# Altium PCB HYDRA_V4_RECOVERY.PcbDoc (part 2 of 2) (continued)
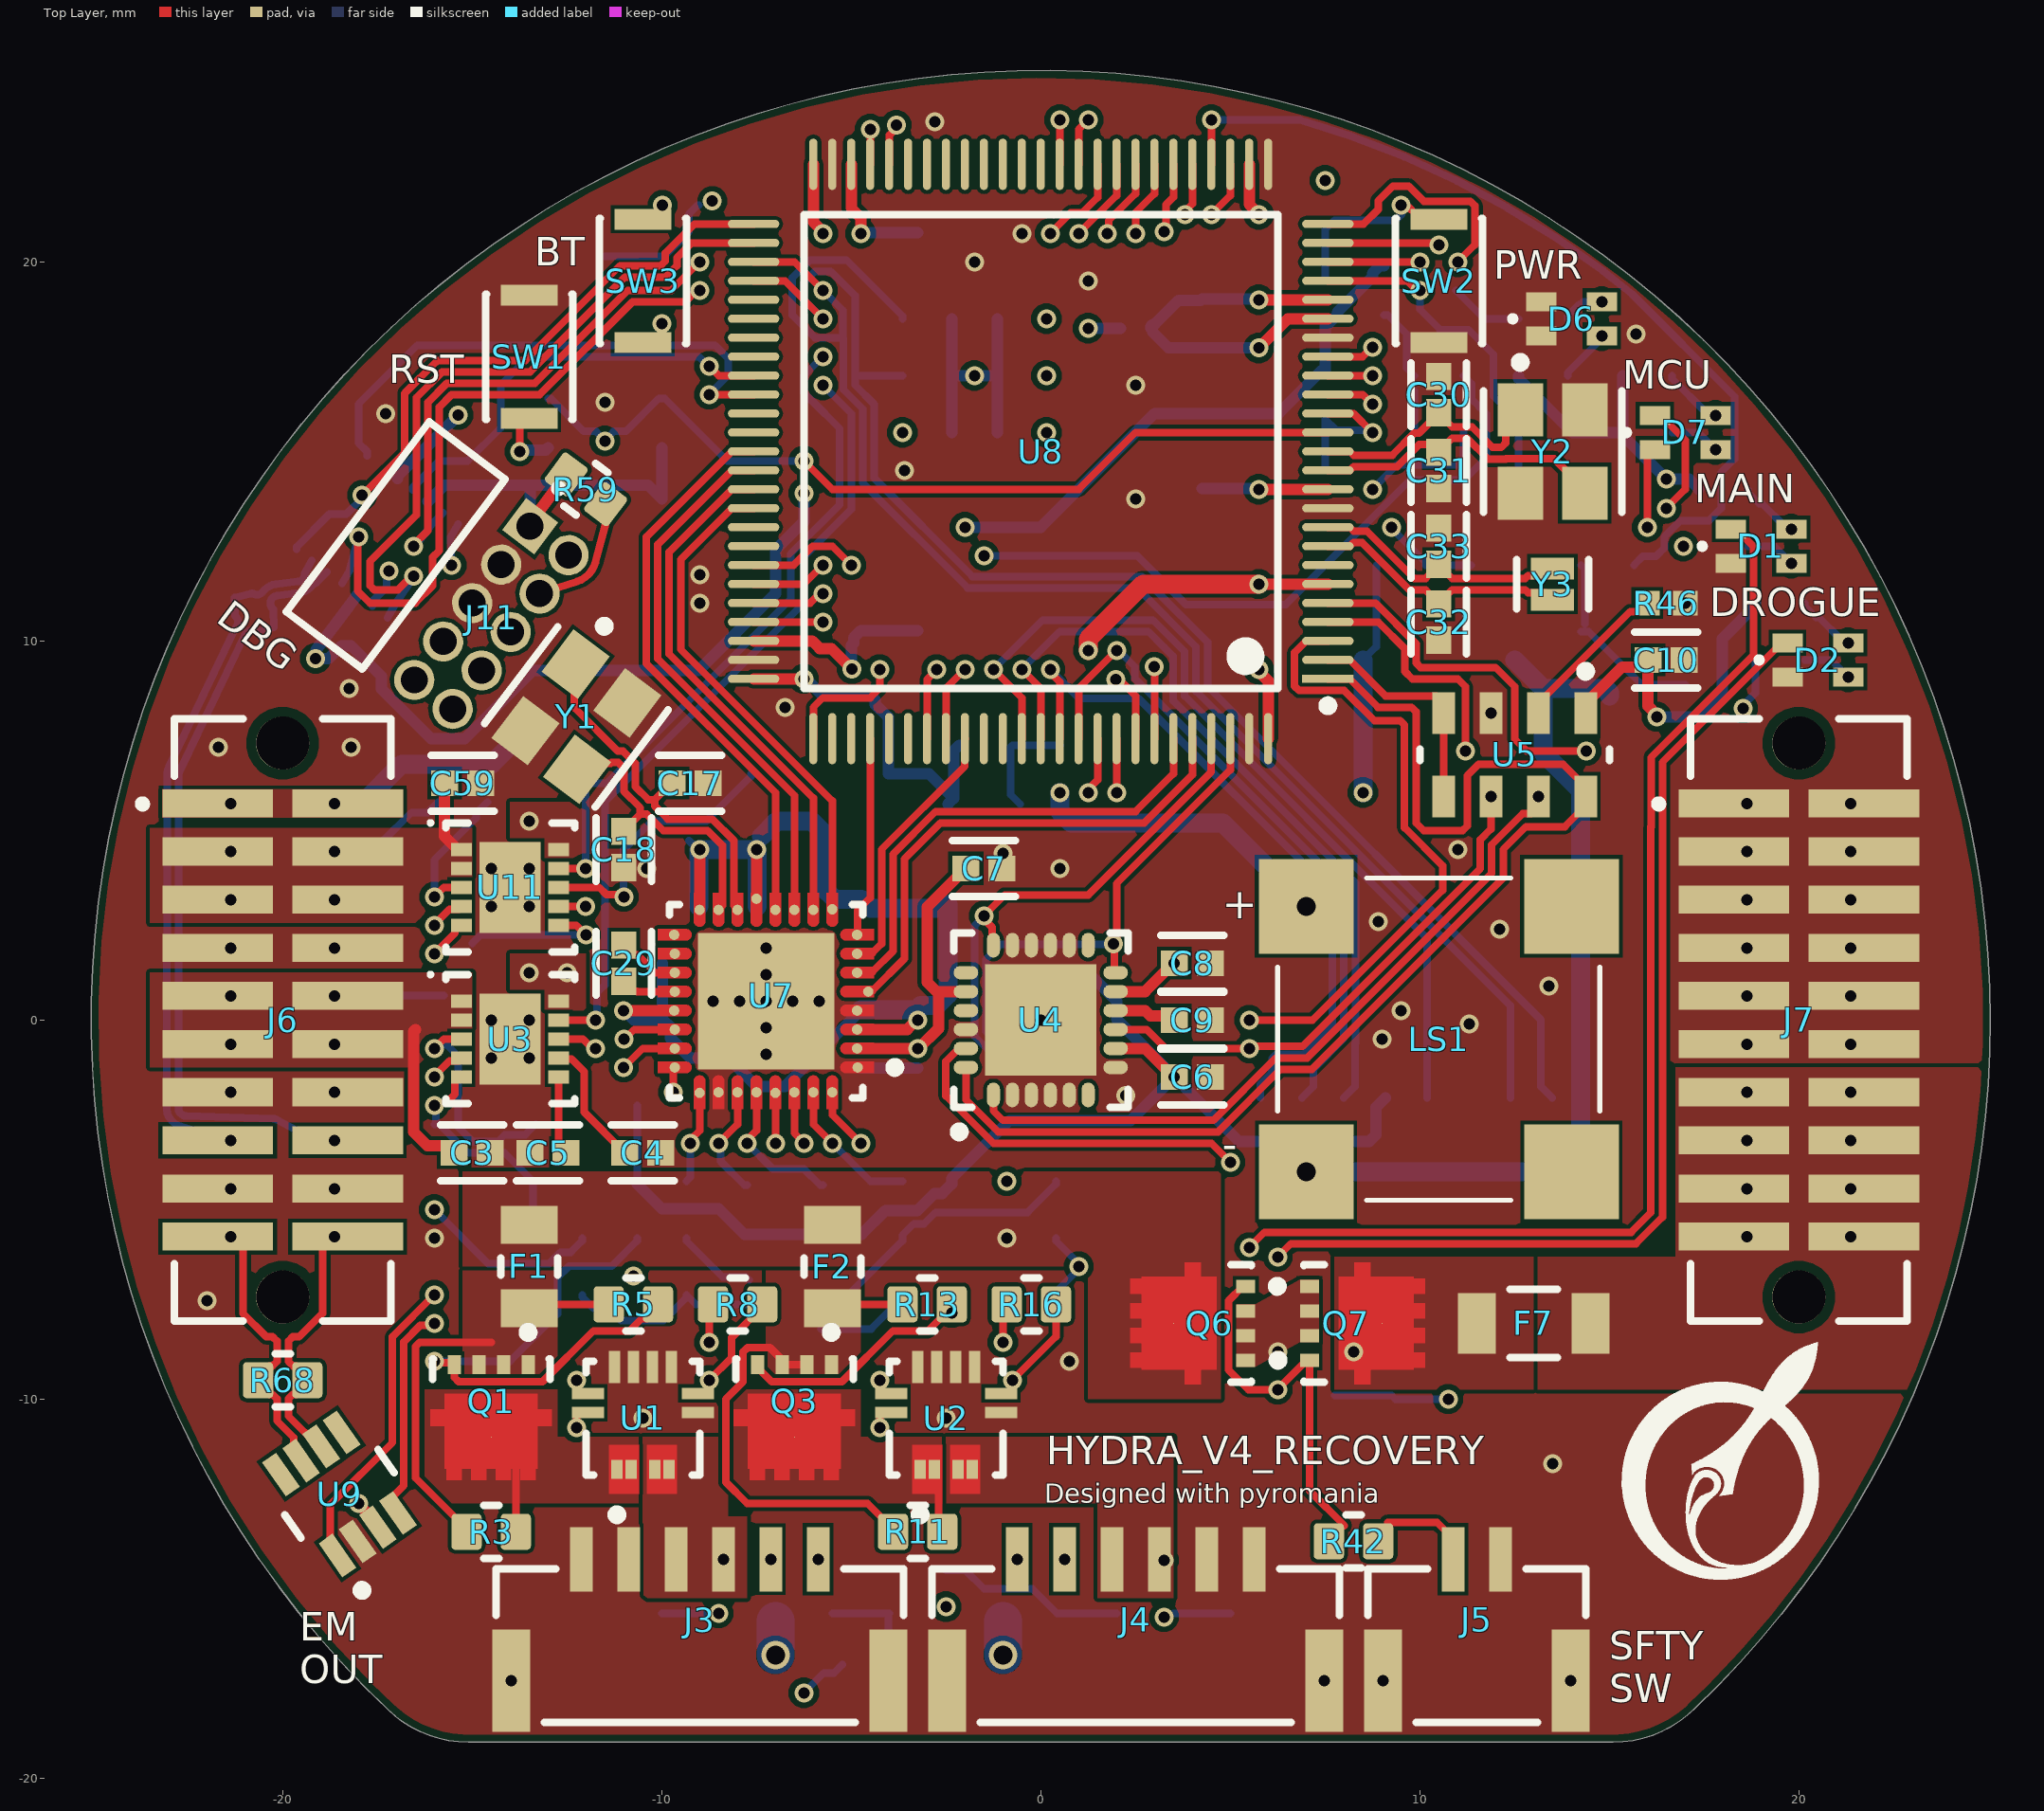
[diagram p0: Top Layer view]
## Nets (pads, with @x,y where several pads share a name; then routed paths per layer and width w, separated by ;. In a path a pad name is that pad's centre, name@x,y a point inside that pad or via, vN(x,y) a via of type N, cw(c..) or ccw(c..) an arc to the next point about the centre after c; other vN are vias at no path point) (continued)
  Bottom Layer w0.2: Q8.3@10.95,19.25 11.7,18.5 R63.2@12.6,18.5
NetR21_2: R21.2 U8.29 | length 23.5
  Top Layer w0.2: U8.29@4.5,22.575 v1(4.5,23.75)
  Bottom Layer w0.2: v1(4.5,23.75) 6.787,23.75 cw(c6.787,23.55) 6.847,23.741 8.175,23.32 cw(c8.115,23.129) 8.187,23.316 9.589,22.775 cw(c9.517,22.588) 9.601,22.77 10.968,22.144 cw(c10.884,21.962) 10.979,22.139 12.305,21.43 cw(c12.21,21.254) 12.315,21.424 13.595,20.635 cw(c13.49,20.465) 13.606,20.629 14.835,19.763 cw(c14.72,19.6) 14.845,19.756 15.592,19.158 cw(c15.467,19.002) 15.608,19.143 18.3,16.452 18.3,14.8 17.952,14.452 17.952,13.5 17.628,13.177 16.884,13.177 16.45,12.743 16.45,12.45 16.233,12.233 15.883,12.233 R21.2@15.65,12
NetR23_1: R23.1 R24.2 U8.15 | length 4
  Top Layer w0.2: U8.15@7.575,16 7.578,15.998 8.252,15.998 v1(8.75,15.5)
  Bottom Layer w0.2: R24.2@7.5,14.65 7.5,15.75 R23.1@7.5,15.85 7.793,15.557 8.693,15.557 v1(8.75,15.5)
NetR25_1: R25.1 R26.2 U8.23 | length 39.8
  Top Layer w0.2: U8.23@7.575,20 v1(10,20)
  GND w0.2: v1(10,20) 14.897,15.103 14.897,-6.903 11.8,-10 v1(10.75,-10)
  Bottom Layer w0.2: R25.1@7.75,-9.9 R26.2@9.25,-9.9 9.35,-10 v1(10.75,-10)
NetR27_1: R27.1 R28.2 U8.18 | length 8.8
  Top Layer w0.2: U8.18@7.575,17.5 8.494,17.5 8.744,17.75 v1(8.75,17.75)
  PWR w0.2: v1(8.75,17.75) 9.25,17.25 v1(9.25,13)
  Bottom Layer w0.2: v1(9.25,13) 9.25,12.975 10.15,12.075 R27.1@10.15,12 R28.2@11.35,12
NetR29_2: R29.2 R30.1 U3.3 | length 5.6
  Top Layer w0.2: v1(-15.998,-0.75) -15.994,-0.75 -15.744,-0.5 U3.3@-15.285,-0.5
  Bottom Layer w0.2: R29.2@-15.75,-0.65 -15.675,-0.65 -15.375,-0.95 -15.375,-2.818 -14.995,-3.198 -14.313,-3.198 -14.14,-3.025 -13.6,-3.025 R30.1@-13.325,-2.75
NetR31_1: R31.1 R34.2 U8.22 | length 9.4
  Top Layer w0.2: U8.22@7.575,19.5 9.669,19.5 9.919,19.25 v1(10,19.25)
  Bottom Layer w0.2: v1(10,19.25) 10,18.75 10.536,18.214 11.286,18.214 11.937,17.563 11.937,16.463 12.33,16.07 12.33,15.77 R31.1@12.6,15.5 ; R34.2@12.6,14 R31.1@12.6,15.575
NetR32_1: R32.1 U3.8 | length 1.1
  Top Layer w0.2: U3.8@-12.715,-0.5 -12.081,-0.5 -11.831,-0.75 v1(-11.75,-0.75)
NetR33_1: R33.1 U3.9 U8.34 | length 31.5
  Top Layer w0.2: U3.9@-12.715,0 v1(-11.75,0) ; v1(1,20.75) 2,21.75 U8.34@2,22.575
  GND w0.2: v1(-5.75,16.75) -3,16.75 v1(1,20.75)
  Bottom Layer w0.2: v1(-11.75,0) -11.712,0.038 -11.712,0.713 -11.5,0.925 -11.5,5.748 -11.498,5.75 -11.498,5.752 -6.25,11 -6.25,12.223 -5,13.473 -5,16 v1(-5.75,16.75)
NetR41_1: R41.1 R43.2 U8.33 | length 33.6
  Top Layer w0.2: v1(1.75,20.75) 1.789,20.789 1.789,21.089 2.5,21.8 U8.33@2.5,22.575
  GND w0.2: v1(1,-6.5) 3.898,-3.602 3.898,-3.202 4.103,-2.997 4.103,1.795 3.898,2 3.898,18.602 v1(1.75,20.75)
  Bottom Layer w0.2: R43.2@0.4,-7.25 0.4,-7.175 1,-6.575 v1(1,-6.5) 1,-6.425 0.4,-5.825 R41.1@0.4,-5.75
NetR46_2: R46.2 U5.2 | length 4.2
  Top Layer w0.2: U5.2@13.125,8.1 13.125,8.35 15.55,10.775 15.775,10.775 R46.2@16,11
NetR60_2: R60.2 SW1.1 | length 1.8
  Top Layer w0.2: v1(-13.75,15) -13.75,15.7 -13.575,15.875 SW1.1@-13.5,15.875
  Bottom Layer w0.3: v1(-13.75,15) -13.712,15.038 -13.062,15.038 R60.2@-13,15.1
NetR71_2: R71.2 U10.9 | length 32
  PWR w0.2: v1(-17.2,11.847) -17.2,15.05 -10.1,22.15 v1(7.5,22.15)
  Bottom Layer w0.2: U10.9@-17.63,10.916 -17.63,11.045 -17.257,11.417 -17.257,11.79 v1(-17.2,11.847)
NetR72_1: R72.1 SW3.1
  other v1: -10,18.375
NetR76_2: R76.2 R77.1 U11.3 | length 3.9
  Top Layer w0.2: v1(-16,3.25) -15.994,3.25 -15.744,3.5 U11.3@-15.285,3.5
  Bottom Layer w0.2: v1(-16,3.25) -16,4.225 -14.9,5.325 -14.9,5.45 R76.2@-14.6,5.75
NetR78_1: R78.1 U11.8 | length 7.3
  Top Layer w0.2: U11.8@-12.715,3.5 -11.652,3.5 -11.459,3.307 -11.057,3.307 v1(-11,3.25)
  Bottom Layer w0.2: v1(-11,3.25) v1(-11,3.25) -11.002,4.498 -10.25,5.25 -8.825,5.25 -7.65,6.425 R78.1@-7.65,6.5
NetR79_1: R79.1 U8.35 U11.9 | length 28.4
  Top Layer w0.2: U11.9@-12.715,4 v1(-12.002,4) ; v1(0.25,20.75) 0.25,20.752 0.798,21.3 1.1,21.3 1.5,21.7 U8.35@1.5,22.575
  GND w0.2: v1(-5.75,17.5) -5.35,17.1 -3.1,17.1 0.211,20.411 0.211,20.711 v1(0.25,20.75)
  Bottom Layer w0.2: v1(-12.002,4) -12.002,6.148 -12,6.15 R79.1@-12.1,6.25 -11.45,6.25 -6.6,11.1 -6.6,12.3 -5.302,13.598 -5.302,15.6 -6.048,16.346 -6.054,16.346 -6.25,16.543 -6.25,17 v1(-5.75,17.5)
NetU8_7: U8.7
NetU8_16: U8.16 U10.11 | length 41.9
  Top Layer w0.2: v1(-18,12.75) -18.017,12.733 -18.017,11.317 -17.7,11 -16.5,11 -16.043,11.457 -16.043,12.207 -15.871,12.379 -15.871,16.165 -15.542,16.495 -13.225,16.495 -10.772,18.948 -9.383,18.948 -9.081,19.25 v1(-9,19.25) ; U8.16@7.575,16.5 8.494,16.5 8.744,16.25 v1(8.75,16.25)
  GND w0.2: v1(-9,19.25) -8.5,19.75 -3.75,19.75 -1.75,21.75 5.957,21.75 6.25,21.457 6.25,20.147 7.948,18.449 7.948,17.375 8.2,17.123 8.2,16.8 v1(8.75,16.25)
  Bottom Layer w0.2: U10.11@-18.429,11.518 -18.236,11.86 v1(-18,12.75)
NetU8_17: U8.17 U10.6 | length 37.1
  Top Layer w0.2: v1(-16.543,12.5) -16.543,12.538 -16.173,12.908 -16.173,16.29 -15.667,16.797 -13.35,16.797 -10.897,19.25 -9.75,19.25 v1(-9,20) ; U8.17@7.575,17 v1(8.75,17)
  GND w0.2: v1(-9,20) -8.948,20.052 -3.948,20.052 -1.948,22.052 6.082,22.052 6.552,21.582 6.552,20.272 8.25,18.573 8.25,17.5 v1(8.75,17)
  Bottom Layer w0.2: v1(-16.543,12.5) -16.5,12.5 -16.047,13.101 U10.6@-15.773,13.38
NetU8_38: U8.38
NetU8_39: U8.39
NetU8_40: U8.40
NetU8_41: U8.41
NetU8_42: U8.42
NetU8_43: U8.43
NetU8_44: U8.44
NetU8_45: U8.45
NetU8_51: U8.51 U10.14 | length 16.7
  Top Layer w0.2: v1(-17.902,13.847) -16.776,14.973 -16.776,16.524 -16.773,16.527 -16.773,16.544 -15.95,17.367 -15.933,17.367 -15.9,17.4 -13.6,17.4 -11.1,19.9 -10.6,19.9 -10.598,19.902 -10.025,19.902 -9.902,20.025 -9.902,20.232 -9.134,21 U8.51@-7.575,21
  Bottom Layer w0.2: U10.14@-19.627,12.421 -19.627,12.487 -18.766,13.347 -18.321,13.347 -17.902,13.767 v1(-17.902,13.847)
NetU8_52: U8.52 U10.8 | length 18.8
  Top Layer w0.2: v1(-16.543,11.707) -16.601,11.707 -16.961,11.347 -17.583,11.347 -17.7,11.464 -17.7,12.094 -16.475,13.319 -16.475,16.415 -15.792,17.098 -13.475,17.098 -10.975,19.598 -10.475,19.598 -10.473,19.6 -9.9,19.6 -9.6,19.9 -9.6,20.107 -9.207,20.5 U8.52@-7.575,20.5
  Bottom Layer w0.2: U10.8@-17.23,10.615 -17.038,10.957 -16.533,11.701 -16.536,11.701 v1(-16.543,11.707)
NetU8_55: U8.55
NetU8_56: U8.56
NetU8_57: U8.57
NetU8_58: U8.58
NetU8_59: U8.59 U10.4 | length 11.4
  Top Layer w0.2: v1(-8.75,17.25) -8.744,17.25 -8.494,17 U8.59@-7.575,17
  Bottom Layer w0.2: U10.4@-16.571,13.982 -16.571,14.049 -15.87,14.75 -15.117,14.75 -14.25,15.617 -14.25,16.75 -13.5,17.5 -9.017,17.5 -8.767,17.25 v1(-8.75,17.25)
NetU8_60: U8.60 U10.1 | length 14.3
  Top Layer w0.2: v1(-8.75,16.5) U8.60@-7.575,16.5
  Bottom Layer w0.2: U10.1@-17.77,14.885 -17.77,14.993 -18,15.223 -18,16.25 -16.448,17.802 -8.594,17.802 -8.25,17.457 -8.25,17 v1(-8.75,16.5)
NetU8_61: U8.61
NetU8_62: U8.62
NetU8_67: U8.67
NetU8_68: U8.68
NetU8_70: U8.70 U9.4 | length 32.2
  Top Layer w0.2: U9.4@-16.956,-13.006 -17.087,-12.875 -17.087,-12.567 -16.802,-12.282 -16.802,-8.492 -16.367,-8.057 -16.056,-8.057 v1(-15.998,-8) ; U8.70@-7.575,11.5 -6.25,11.5 v1(-5.75,12)
  GND w0.2: v1(-15.998,-8) -15.995,-7.997 -15.624,-7.997 -13.552,-5.925 -13.552,-4.507 -9.903,-0.859 -9.903,0.15 -9.9,0.153 -9.9,7.85 v1(-5.75,12)
NetU8_71: U8.71 U9.1 | length 36.2
  Top Layer w0.2: U9.1@-18.553,-14.124 -18.739,-13.938 -18.739,-12.782 -17.103,-11.146 -17.103,-8.353 v1(-16,-7.25) ; U8.71@-7.575,11 -6.081,11 -5.831,11.25 v1(-5.75,11.25)
  GND w0.2: v1(-16,-7.25) -16,-7.268 -16.498,-7.767 -16.498,-8.302 -16.3,-8.5 -15.7,-8.5 -13.25,-6.05 -13.25,-4.65 -9.602,-1.002 -9.602,0.025 -9.598,0.028 -9.598,7.702 -6.089,11.211 -5.789,11.211 v1(-5.75,11.25)
NetU8_77: U8.77
NetU8_78: U8.78
NetU8_80: U8.80
NetU8_81: U8.81
NetU8_85: U8.85
NetU8_86: U8.86
NetU9_5: U9.5
NetU9_8: U9.8
nINTRQ: R53.2 U7.24 U8.69 | length 20.9
  Top Layer w0.2: v1(-9.7,-1.9) -9.7,-1.314 -9.656,-1.27 U7.24@-9.656,-1.25 ; U8.69@-7.575,12 -6.521,12 -6.021,12.5 -5.5,12.5 v1(-5,12)
  GND w0.2: v1(-9.7,-1.9) -9.297,-1.497 -9.297,3.496 -8.5,4.293 -8.5,4.707 -9.297,5.504 -9.297,7.577 -6.873,10 -5.543,10 -5.25,10.293 -5.25,11.733 -5,11.983 v1(-5,12)
nPWRDWN: R57.2 U7.31 U8.82 | length 19.4
  Top Layer w0.2: U7.31@-6,-1.906 -6,-2.75 v1(-5.5,-3.25) ; U8.82@-3,7.425 -3,8.983 -2.75,9.233 v1(-2.75,9.25)
  GND w0.2: v1(-5.5,-3.25) -5.5,-0.927 -3.1,1.473 -3.1,8.9 v1(-2.75,9.25)
  Bottom Layer w0.2: v1(-5.5,-3.25) -4.5,-4.25 R57.2@-3.65,-4.25
nRESET: R55.2 U7.25 U8.83 | length 23.5
  Top Layer w0.2: v1(-9.247,-3.25) -9.247,-3.169 -9,-2.922 U7.25@-9,-1.921 ; U8.83@-2.5,7.425 -2.5,8.75 v1(-2,9.25)
  GND w0.2: v1(-9.247,-3.25) -9.247,-3.253 -8.75,-3.75 -4.543,-3.75 -4.2,-3.407 -4.2,-0.1 -2.798,1.302 -2.798,8.452 v1(-2,9.25)
  Bottom Layer w0.2: R55.2@-9.35,-4.25 -9.247,-4.147 v1(-9.247,-3.25)
nSHDN: D4.1 R35.1 R36.2 U3.5 U11.5 | length 11.7
  Top Layer w0.2: v1(-16,-2.25) -15.943,-2.193 -15.693,-2.193 -15.46,-1.96 -15.46,-1.575 -15.385,-1.5 U3.5@-15.285,-1.5 ; v1(-16,1.75) -15.46,2.29 -15.46,2.425 -15.385,2.5 U11.5@-15.285,2.5
  GND w0.2: v1(-16,-2.25) -16.498,-1.752 -16.498,-0.498 -16,0 v1(-16,1.75)
  Bottom Layer w0.2: D4.1@-16,-2.75 -15.955,-2.705 -15.955,-2.295 v1(-16,-2.25) ; D4.1@-15.91,-2.75 -15.87,-2.75 -15.12,-3.5 -14.15,-3.5 R36.2@-13.4,-4.25 -13.4,-5.4 R35.1@-13.5,-5.5
nSHDN: C15.2 R51.1 U6.3 | length 2.9
  Bottom Layer w0.2: U6.3@-0.55,5.7 -0.8,5.95 -0.8,7.2 -0.75,7.25 C15.2@0.521,7.25
P0: U7.12 U8.63 | length 15
  Top Layer w0.2: U8.63@-7.575,15 -8.147,15 -10.405,12.742 -10.405,9.405 -7,6 U7.12@-7,2.905
P1: U7.11 U8.64 | length 14.5
  Top Layer w0.2: U8.64@-7.575,14.5 -7.58,14.496 -8.151,14.496 -10.103,12.544 -10.103,9.53 -6.5,5.927 U7.11@-6.5,2.905
P2: U7.10 U8.65 | length 13.9
  Top Layer w0.2: U8.65@-7.575,14 -7.58,13.996 -8.151,13.996 -9.802,12.345 -9.802,9.655 -6,5.853 U7.10@-6,2.905
P3: U7.9 U8.66 | length 13.4
  Top Layer w0.2: U8.66@-7.575,13.5 -7.58,13.496 -8.151,13.496 -9.5,12.147 -9.5,9.78 -5.5,5.78 U7.9@-5.5,2.921
P4: U7.8 U8.79 | length 5.3
  Top Layer w0.2: U7.8@-4.845,2.25 -4.837,2.257 -4.837,2.89 -4.5,3.227 U8.79@-4.5,7.425
P5: U7.7 U8.84 | length 7.1
  Top Layer w0.2: U7.7@-4.845,1.75 -4.83,1.764 -4.449,1.764 -4.198,2.014 -4.198,4.502 -2.002,6.698 -2.002,7.422 U8.84@-2,7.425
P6: U7.6 U8.95 | length 12.9
  Top Layer w0.2: U7.6@-4.845,1.25 -4.83,1.264 -4.449,1.264 -3.897,1.816 -3.897,4.377 -2.773,5.5 2.5,5.5 3.5,6.5 U8.95@3.5,7.425
P7: U7.5 U8.96 | length 13.4
  Top Layer w0.2: U7.5@-4.552,0.75 -4.538,0.764 -4.449,0.764 -3.595,1.618 -3.595,4.252 -2.649,5.198 2.725,5.198 4,6.473 U8.96@4,7.425
PRE_3V3: C3.1 J1.09 J1.10 J1.11 J1.12 J6.09 J6.10 J6.11 J6.12 R29.1 U3.1 U3.2 | length 6.3
  Top Layer w0.3: -16.5,-0.25 -16.55,-0.3 -16.55,-2.95 -16.186,-3.314 -15.665,-3.314 C3.1@-15.479,-3.5
  Bottom Layer w0.2: J1.10@-18,0.5 -17.85,0.65 R29.1@-15.75,0.65
  other v1: -21.365,-0.64 -18.635,-0.64 -21.365,0.63 -18.635,0.63
PRE_5V: C59.1 J1.03 J1.04 J1.05 J1.06 J6.03 J6.04 J6.05 J6.06 R76.1 U11.1 U11.2 | length 5.3
  Top Layer w0.3: C59.1@-15.729,6.25 -15.729,4.844 -15.385,4.5 U11.1@-15.285,4.5
  Bottom Layer w0.2: J1.04@-18.635,4.445 -18.385,4.695 -17.38,4.695 -16.6,5.475 -16.175,5.475 R76.1@-15.9,5.75
  other v1: -21.365,3.17 -18.635,3.17 -21.365,4.44 -18.635,4.44
PRE_DROGUE_MATCH: Q3.5-6-7-8 R11.2 U2.1 U2.2 | length 1.9
  Top Layer w0.2: U2.1@-3.182,-11.848 -2.7,-12.33 -2.7,-13.4 R11.2@-2.6,-13.5
PRE_MAIN_MATCH: Q1.5-6-7-8 R3.2 U1.1 U1.2 | length 2.8
  Top Layer w0.2: Q1.5-6-7-8@-14.5,-11 -13.85,-11.65 R3.2@-13.85,-13.5
PRE_PYRO_PWR: F7.1 J2.13 J2.14 J2.15 J2.16 J2.17 J2.18 J2.19 J2.20 J7.13 J7.14 J7.15 J7.16 J7.17 J7.18 J7.19 J7.20
  other v1: 18.635,-5.72 21.365,-5.72 18.635,-4.45 21.365,-4.45 18.635,-3.18 21.365,-3.18 18.635,-1.91 21.365,-1.91
PRE_VCC: F6.1 J1.01 J1.02 J6.01 J6.02 | length 6.2
  Bottom Layer w0.5: J1.02@-18.635,5.715 -17.895,5.715 -16.86,6.75 -14.485,6.75 -13.454,7.781 F6.1@-13.292,7.781
  other v1: -21.365,5.71 -18.635,5.71
PRE_ZENER_CAN_INH: R35.2 R64.2 U10.7 | length 58.6
  PWR w0.2: v1(-16,-5) -16,-4.933 -15.8,-4.733 -15.8,-3.2 -16.5,-2.5 -16.5,-0.2 -17.75,1.05 -17.75,4.75 -17.3,5.2 -17.3,10.243 v1(-15.543,12) -15.543,12.457 -13.75,14.25 -13,14.25 -12.147,13.397 -3.397,13.397 -2.25,12.25 v1@-1.517,12.25
  Bottom Layer w0.2: v1(-16,-5) -14.573,-6.427 -12.975,-6.427 -12.673,-6.125 -12.4,-6.125 -12.1,-5.825 R35.2@-12.1,-5.75 ; v1(-15.543,12) -15.565,12.737 U10.7@-15.373,13.079 ; v1(-1.5,12.25) 2.542,12.25 3.83,10.962 6.462,10.962 9.75,14.25 11.177,14.25 11.752,14.825 11.752,16 11.575,16.177 11.573,16.177 11.37,16.38 11.37,16.78 R64.2@11.15,17
PWR_nFLT: R80.2 U3.4 U11.4 | length 63.7
  Top Layer w0.2: v1(-16,2.5) -16,2.52 -15.595,2.925 -15.36,2.925 U11.4@-15.285,3 ; v1(-15.998,-1.5) -15.998,-1.478 -15.595,-1.075 -15.36,-1.075 U3.4@-15.285,-1
  GND w0.2: v1(-15.998,-1.5) -15.498,-1 -15.498,-0.543 -15.5,-0.541 -15.5,2 v1(-16,2.5) -15.311,3.189 -15.311,4.089 -14.9,4.5 -11.367,4.5 -10.803,5.064 -10.803,7.447 -7.7,10.55 -7.7,13.89 -11.103,17.293 -11.103,19.5 -9.5,21.103 -7.25,21.103 -4.998,23.355 -4.998,23.709 -4.707,24 -4.2,24 -4,24.2 -2.5,24.2 -0.653,22.353 6.207,22.353 6.405,22.155 6.853,21.707 6.853,20.397 9.25,18 9.25,14.419 8.831,14 v1(8.75,14)
  Bottom Layer w0.2: v1(8.75,14) 9.4,14.65 11.033,14.65 11.15,14.767 R80.2@11.15,15.5
PYRO_PWR_SW: F1.1 F2.1 Q6.5-6-7-8 R41.2
  other v1: -0.9,-5.75
RESETN: C34.1 J11.10 R60.1 R61.2 U8.14 | length 32.3
  Top Layer w0.2: v1(-6.25,14.75) -5.5,14 1,14 2.5,15.5 U8.14@7.575,15.5
  GND w0.2: J11.10@-15.514,8.207 -14.73,8.207 -11.5,11.437 v1(-11.5,15.271)
  Bottom Layer w0.2: R60.1@-13,16.4 -12.925,16.4 -12.054,15.529 -11.736,15.529 C34.1@-11.5,15.293 ; v1(-11.5,15.271) C34.1@-11.5,15.293 ; v1(-6.25,14.75) -8.275,14.75 -9.925,16.4 R61.2@-10,16.4 -10.075,16.4 -10.946,15.529 -11.264,15.529 C34.1@-11.5,15.293
SD_CLK: R38.2 SD1.5 U8.87 | length 32.6
  Top Layer w0.2: v1(-1.25,9.25) -0.5,8.5 U8.87@-0.5,7.425
  GND w0.2: v1(-3.65,15.5) -3.636,15.486 -0.586,15.486 0.095,14.805 0.095,10.595 v1(-1.25,9.25)
  Bottom Layer w0.2: v1(-1.25,9.25) 0.052,10.552 2.961,10.552 3.797,9.716 3.797,8.55 10.195,2.152 SD1.5@10.195,-2.05
SD_CMD: R37.2 SD1.3 U8.88 | length 27.2
  Top Layer w0.2: v1(-0.5,9.25) 0,8.75 U8.88@0,7.425
  GND w0.2: v1(-0.5,9.25) 0.397,10.147 0.397,15.233 0.15,15.48 v1(0.15,15.5)
  Bottom Layer w0.2: v1(-0.5,9.25) 0.5,10.25 2.836,10.25 3.27,9.817 3.495,9.591 3.495,8.425 8.3,3.62 8.3,-0.609 8.295,-0.614 8.295,-1.75 SD1.3@7.995,-2.05
SD_DAT0: R39.2 SD1.7 U8.53 | length 39.9
  Top Layer w0.2: U8.53@-7.575,20 -6.5,20 v1(-5.75,19.25)
  Bottom Layer w0.2: v1(-5.75,19.25) -5.225,18.725 -5.225,18 ; R39.2@-3.65,18.5 -3.65,18.575 -5.127,20.052 -6.082,20.052 -6.552,19.582 -6.552,18.594 -5.957,18 -5.225,18 ; SD1.7@12.395,-2.05 12.395,0.378 4.098,8.675 4.098,9.841 2.539,11.4 -1.927,11.4 -4.698,14.172 -4.698,16.125 -5.202,16.628 -5.202,17.977 -5.225,18
SD_DAT1: R65.2 SD1.8 U8.54 | length 37.8
  Top Layer w0.2: U8.54@-7.575,19.5 -6.75,19.5 v1(-5.75,18.5)
  Bottom Layer w0.2: v1(-5.75,18.5) -6.25,19 -6.25,19.457 -5.957,19.75 -5.543,19.75 -4.9,19.107 -4.9,16.954 ; R65.2@-3.65,17 -4.854,17 -4.9,16.954 ; SD1.8@13.495,-2.05 13.195,-1.75 13.195,0.005 4.4,8.8 4.4,9.97 3.71,10.661 3.705,10.661 2.664,11.702 -1.802,11.702 -4.397,14.297 -4.397,16.25 -4.9,16.753 -4.9,16.954
SD_DAT2: J11.06 R74.2 SD1.1 U8.89 | length 42.4
  Top Layer w0.2: v1(0.25,9.25) 0.25,9.169 0.5,8.919 U8.89@0.5,7.425
  PWR w0.2: J11.06@-13.986,10.236 -11.336,10.236 -10.997,9.897 -6.323,9.897 -4.677,8.25 -0.25,8.25 0.2,8.7 0.2,9.2 v1(0.25,9.25)
  GND w0.2: v1(0.15,17) 0.698,16.452 0.698,9.698 v1(0.25,9.25)
  Bottom Layer w0.2: v1(0.25,9.25) 1.015,8.485 2.583,8.485 7.697,3.371 7.697,-0.148 6.945,-0.9 6.217,-0.9 6.1,-1.017 6.1,-1.283 6.095,-1.288 6.095,-1.4 5.795,-1.7 SD1.1@5.795,-2.05
SD_DAT3: R75.2 SD1.2 U8.90 | length 27
  Top Layer w0.2: U8.90@1,7.425 1,8.75 v1(2,9.75)
  GND w0.2: v1(0.15,18.5) 0.15,17.707 1,16.857 1,10.75 v1(2,9.75)
  Bottom Layer w0.2: v1(2,9.75) 2.05,9.75 2.485,9.315 2.485,9.009 7.998,3.496 7.998,-0.484 7.195,-1.288 7.195,-1.75 SD1.2@6.895,-2.05
SWCLK: J11.04 R59.1 U8.76 | length 16.4
  Top Layer w0.2: J11.04@-13.221,11.25 -12.233,11.568 ccw(c-12.457,12.264) -11.751,12.074 -11.467,13.129 R59.1@-11.481,13.609 ; U8.76@-6,7.425 -6,8.25 -5.75,8.5 -4.5,8.5 -4.25,8.75 v1(-4.25,9.25)
  PWR w0.2: J11.04@-13.221,11.25 -11.923,11.25 -10.872,10.198 -6.198,10.198 -5.764,9.764 -4.764,9.764 v1(-4.25,9.25)
SWDIO: J11.02 U8.72 | length 9.3
  Top Layer w0.2: U8.72@-7.575,10.5 v1(-5.75,10.5)
  PWR w0.2: J11.02@-12.457,12.264 -10.693,10.5 v1(-5.75,10.5)
TCAN1146_VSUP: C53.1 F6.2 Q8.2 R23.2 R69.2 U10.10 | length 39.3
  PWR w0.3: v1(-6.25,13.897) -2.897,13.897 v1(-2,13)
  Bottom Layer w0.3: U10.10@-18.029,11.217 -18.231,10.945 -19.122,9.763 v1(-19.132,9.538) -19.123,9.529 -18.794,9.529 -18.448,9.876 -18.199,9.876 -17.391,9.068 -17.391,8.729 -16.088,7.426 -15.191,7.426 -13.397,9.219 F6.2@-12.208,9.219 -9.031,9.219 -7,11.25 -7,12.4 -6.25,13.15 v1(-6.25,13.897) ; v1(-2,13) 0,13 3,16 6.275,16 7.425,17.15 R23.2@7.5,17.15 R69.2@7.5,18.275 ; R69.2@7.5,18.35 7.575,18.35 7.825,18.6 7.825,18.675 8.75,19.6 8.75,19.7 8.95,19.9 Q8.2@9.05,19.9
VDDA: C41.2 C42.2 C49.2 C50.2 FB1.2 U8.20 U8.21 | length 10.2
  Top Layer w0.3: v1(5.75,17.729) 6.521,18.5 U8.20@7.575,18.5 ; v1(5.75,19) U8.21@7.575,19
  Bottom Layer w0.3: FB1.2@2.9,18.25 2.9,18.3 2.95,18.35 3,18.35 3.639,18.99 4.218,18.99 C41.2@4.25,19.021 5.729,19.021 v1(5.75,19) ; FB1.2@2.95,18.15 3.371,17.729 v1(5.75,17.729)
VIN3: C14.1 U7.22 | length 28.3
  Top Layer w0.2: v1(-11,-0.5) -10.974,-0.5 -10.724,-0.25 U7.22@-9.656,-0.25
  PWR w0.2: v1(-11,-0.5) -10.502,-0.998 -10.502,-1.457 -12,-2.956 -12,-6.602 -13.3,-7.902 -13.3,-12.273 -8.125,-17.448 -6.748,-17.448 -6.5,-17.2 -4.221,-17.2 v1(-2.5,-15.479)
VIN4: C11.1 U7.23 | length 24.8
  Top Layer w0.2: v1(-11.002,-1.25) v1(-11.002,-1.25) -10.5,-0.75 U7.23@-9.656,-0.75
  PWR w0.2: v1(-11.002,-1.25) -12.302,-2.55 -12.302,-6.466 -13.602,-7.766 -13.602,-12.398 -8.25,-17.75 v1@-6.137,-17.75
  Bottom Layer w0.2: v1(-6.25,-17.75) -5.723,-17.223 -5.452,-17.223 C11.1@-5.229,-17
VREF_N: C29.2 U7.20 | length 1.5
  Top Layer w0.2: C29.2@-11,1.021 -11,1 -10.764,0.764 -10.66,0.764 -10.647,0.75 U7.20@-9.656,0.75
VREF_P: C29.1 U7.19 | length 1.7
  Top Layer w0.2: C29.1@-11,1.979 -11,1.957 -10.764,1.721 -10.647,1.721 -10.176,1.25 U7.19@-9.656,1.25
VS: U7.29 U8.93 | length 22.7
  Top Layer w0.2: v1(-7,-3.25) U7.29@-7,-1.921 ; v1(1.985,8.985) 2.066,8.985 2.5,8.551 U8.93@2.5,7.425
  PWR w0.2: v1(-7,-3.25) -6.997,-3.25 -6.497,-2.75 -1.097,-2.75 2.418,0.765 2.418,1.957 2.5,2.039 2.5,8.469 v1(1.985,8.985)
X32_N: C33.1 U8.9 Y3.2 | length 6.9
  Top Layer w0.2: U8.9@7.575,13 8.15,13 8.249,12.901 8.599,12.901 9.849,11.651 10.151,11.651 C33.1@10.5,12 ; C33.1@10.5,12.021 C33.1@10.5,12 ; Y3.2@13.5,11.913 13.313,11.725 12.856,11.725 12.782,11.651 10.849,11.651 C33.1@10.5,12
X32_P: C32.1 U8.8 Y3.1 | length 6.9
  Top Layer w0.2: U8.8@7.575,12.5 8.15,12.5 8.249,12.599 8.474,12.599 9.724,11.349 10.151,11.349 C32.1@10.5,11 ; C32.1@10.5,10.979 C32.1@10.5,11 ; Y3.1@13.5,11.087 13.313,11.275 12.856,11.275 12.782,11.349 10.849,11.349 C32.1@10.5,11
X_N: C30.1 U8.13 Y2.1 | length 6.7
  Top Layer w0.2: U8.13@7.575,15 8.15,15 8.249,14.901 9.276,14.901 9.856,15.481 9.981,15.481 C30.1@10.5,16 ; C30.1@10.5,16.021 C30.1@10.5,16 ; Y2.1@12.65,16.1 12.264,15.714 12.264,15.22 12.147,15.103 11.923,15.103 11.375,15.651 10.849,15.651 C30.1@10.5,16
X_P: C31.1 U8.12 Y2.3 | length 8
  Top Layer w0.2: U8.12@7.575,14.5 8.15,14.5 8.249,14.599 9.401,14.599 9.981,15.179 10.321,15.179 C31.1@10.5,15 ; C31.1@10.5,14.979 C31.1@10.5,15 ; Y2.3@14.35,13.9 14.35,14 13.543,14.807 12.277,14.807 12.272,14.802 11.798,14.802 11.25,15.349 10.849,15.349 C31.1@10.5,15
XTAL_N: C18.2 U7.15 Y1.3 | length 7.7
  Top Layer w0.2: Y1.3@-12.233,6.61 -12.077,6.766 -11.347,6.766 -11.316,6.798 -11.15,6.798 -11,6.648 -11,6.037 -10.564,5.601 -10.564,5.436 ; C18.2@-11,4.979 -11,5 -10.564,5.436 ; U7.15@-8.5,2.905 -8.5,2.925 -8.399,3.026 -8.399,4.606 -8.793,5 -9.963,5 -10.399,5.436 -10.564,5.436
XTAL_P: C17.2 U7.14 Y1.1 | length 9.8
  Top Layer w0.2: Y1.1@-12.267,9.39 -12.302,9.354 -12.302,8.239 -11.162,7.099 -11.025,7.099 -10.698,6.773 -10.698,6.162 -10.351,5.814 -10.186,5.814 ; C17.2@-9.729,6.25 -9.75,6.25 -10.186,5.814 ; U7.14@-8,2.905 -8,2.925 -8.097,3.023 -8.097,4.731 -8.668,5.302 -9.838,5.302 -10.186,5.649 -10.186,5.814
pads on no net: J1. J2. J6. J7. J11.07 J11.08 J11.09 LS1.1 LS1.2 U4.6 U4.13 U4.19 U4.21 U6.4 U7.17 U7.18

## Polygon pours and split planes (outlines as drawn)
GND on Top Layer "GND_L01_P110" (solid, remove dead copper, pour order 110): -17.222,-18.191 ccw(c-15.1,-16) -15.1,-19.05 15.1,-19.05 ccw(c15.1,-16) 17.25,-18.164 17.257,-18.158 ccw(c0,0) 25.05,0 ccw(c0,0)
3V3_OUT on Top Layer "3V3_OUT_L01_P087" (solid, remove dead copper, pour order 87): -13.25,0.25 -13.25,0.75 -14,0.75 -14,1.75 -12,1.75 -12,0.25
5V on Top Layer "5V_L01_P086" (solid, remove dead copper, pour order 86): -13.25,4.25 -13.25,4.75 -14,4.75 -14,5.75 -12,5.75 -12,4.25
PRE_5V on Top Layer "PRE_5V_L01_P085" (solid, remove dead copper, pour order 85): -23.5,5.06 -23.5,2.56 -16.5,2.56 -15.5,3.56 -15,3.56 -15,5.06
PRE_3V3 on Top Layer "PRE_3V3_L01_P083" (solid, remove dead copper, pour order 83): -23.5,1.25 -23.5,-1.25 -16.5,-1.25 -15.5,-0.25 -15,-0.25 -15,1.25
PYRO_PWR_SW on Top Layer "PYRO_PWR_SW_L01_P077" (solid, remove dead copper, pour order 77): 4.75,-10 4.75,-4 -15.25,-4 -15.25,-6.5 1.25,-6.5 1.25,-10
NetF1_2 on Top Layer "NETF1_2_L01_P079" (solid, remove dead copper, pour order 79): -15.25,-9.5 -15.25,-6.5 -12.75,-6.5 -12.75,-9.5
PRE_DROGUE_MATCH on Top Layer "PRE_DROGUE_MATCH_L01_P075" (solid, remove dead copper, pour order 75): -2.5,-11 -4.75,-11 -4.75,-9.75 -8.25,-9.75 -8.25,-12.75 -2.5,-12.75
MAIN_MATCH on Top Layer "MAIN_MATCH_L01_P074" (solid, remove dead copper, pour order 74): -8.25,-11 -8.25,-13.1 -7.75,-13.1 -7.75,-15.25 -10.5,-15.25 -10.5,-11
NetF2_2 on Top Layer "NETF2_2_L01_P078" (solid, remove dead copper, pour order 78): -7.25,-9.5 -7.25,-6.5 -4.75,-6.5 -4.75,-9.5
DROGUE_MATCH on Top Layer "DROGUE_MATCH_L01_P073" (solid, remove dead copper, pour order 73): -2.5,-12.75 -2.5,-11 3.5,-11 3.5,-15.25 1.5,-15.25 1.5,-12.75
PRE_MAIN_MATCH on Top Layer "PRE_MAIN_MATCH_L01_P076" (solid, remove dead copper, pour order 76): -10.5,-11 -12.75,-11 -12.75,-9.75 -16.25,-9.75 -16.25,-12.75 -10.5,-12.75
PRE_PYRO_PWR on Top Layer "PRE_PYRO_PWR_L01_P082" (solid, remove dead copper, pour order 82): 13,-6.25 13,-9.75 25,-9.75 25,-1.25 16.75,-1.25 16.75,-6.25
PRE_VCC on Top Layer "PRE_VCC_L01_P099" (solid, remove dead copper, pour order 99): -23.175,6.085 -23.175,5.345 -16.825,5.345 -16.825,6.085
NetF7_2 on Top Layer "NETF7_2_L01_P081" (solid, remove dead copper, pour order 81): 7.75,-6.25 7.75,-9.75 13,-9.75 13,-6.25
NetQ6_1 on Top Layer "NETQ6_1_L01_P080" (solid, remove dead copper, pour order 80): 5.16,-7.5 5.66,-7.5 6.84,-6.85 7.34,-6.85 7.34,-8.5 6.84,-8.5 5.66,-9.15 5.16,-9.15
GND on PWR "GND_L02_P109" (solid, remove dead copper, pour order 109): -17.222,-18.191 ccw(c-15.1,-16) -15.1,-19.05 15.1,-19.05 ccw(c15.1,-16) 17.25,-18.164 17.257,-18.158 ccw(c0,0) 25.05,0 ccw(c0,0)
PRE_PYRO_PWR on PWR "PRE_PYRO_PWR_L02_P094" (solid, remove dead copper, pour order 94): 16.825,-1.535 23.175,-1.535 23.175,-6.085 16.825,-6.085
PRE_VCC on PWR "PRE_VCC_L02_P093" (solid, remove dead copper, pour order 93): -23.175,6.085 -23.175,5.345 -16.825,5.345 -16.825,6.085
PRE_5V on PWR "PRE_5V_L02_P092" (solid, remove dead copper, pour order 92): -23.175,4.815 -16.825,4.815 -16.825,2.805 -23.175,2.805
PRE_3V3 on PWR "PRE_3V3_L02_P091" (solid, remove dead copper, pour order 91): -23.175,1.005 -16.825,1.005 -16.825,-1.005 -23.175,-1.005
GND on Bottom Layer "GND_L04_P111" (solid, remove dead copper, pour order 111): -17.222,-18.191 ccw(c-15.1,-16) -15.1,-19.05 15.1,-19.05 ccw(c15.1,-16) 17.25,-18.164 17.257,-18.158 ccw(c0,0) 25.05,0 ccw(c0,0)
PRE_VCC on Bottom Layer "PRE_VCC_L04_P101" (solid, remove dead copper, pour order 101): -23.175,6.085 -23.175,5.345 -16.825,5.345 -16.825,6.085
PRE_PYRO_PWR on Bottom Layer "PRE_PYRO_PWR_L04_P102" (solid, remove dead copper, pour order 102): 16.825,-1.535 23.175,-1.535 23.175,-6.085 16.825,-6.085
PRE_3V3 on Bottom Layer "PRE_3V3_L04_P089" (solid, remove dead copper, pour order 89): -23.175,1.005 -16.825,1.005 -16.825,-1.005 -23.175,-1.005
PRE_5V on Bottom Layer "PRE_5V_L04_P100" (solid, remove dead copper, pour order 100): -23.175,4.815 -16.825,4.815 -16.825,2.805 -23.175,2.805
GND on GND "GND_L03_P112" (solid, remove dead copper, pour order 112): -17.222,-18.191 ccw(c-15.1,-16) -15.1,-19.05 15.1,-19.05 ccw(c15.1,-16) 17.25,-18.164 17.257,-18.158 ccw(c0,0) 25.05,0 ccw(c0,0)
PRE_5V on GND "PRE_5V_L03_P104" (solid, remove dead copper, pour order 104): -23.175,4.815 -16.825,4.815 -16.825,2.805 -23.175,2.805
PRE_3V3 on GND "PRE_3V3_L03_P098" (solid, remove dead copper, pour order 98): -23.175,1.005 -16.825,1.005 -16.825,-1.005 -23.175,-1.005
PRE_PYRO_PWR on GND "PRE_PYRO_PWR_L03_P105" (solid, remove dead copper, pour order 105): 16.825,-1.535 23.175,-1.535 23.175,-6.085 16.825,-6.085
PRE_VCC on GND "PRE_VCC_L03_P090" (solid, remove dead copper, pour order 90): -23.175,6.085 -23.175,5.345 -16.825,5.345 -16.825,6.085

## Silkscreen, mask and mechanical layers (free items; w line width, h text height)
Top Overlay:
  region: 980 vertices and 2 holes, not listed, extent 15.33,-14.765 20.53,-8.499
  text "BT" at -13.35,19.9 h0.75
  text "PWR" at 11.95,19.55 h0.75
  text "RST" at -17.2,16.8 h0.75
  text "MCU" at 15.35,16.65 h0.75
  text "MAIN" at 17.25,13.65 h0.75
  text "DROGUE" at 17.65,10.65 h0.75
  text "DBG" at -21.79,10.53 h0.75 r323
  text "HYDRA_V4_RECOVERY" at 0.15,-11.725 h0.75
  text "Designed with pyromania" at 0.1,-12.733 h0.5
  text "EM / OUT" at -19.549,-17.5 h0.75
  text "SFTY / SW" at 15,-18 h0.75
Bottom Overlay:
  text "MAIN" at -7.538,-18.25 h0.75
  text "DROGUE" at 4.774,-18.25 h0.75
  text "SFTY / SW" at 13.025,-18.25 h0.75
Mechanical 1:
  lines w0.1: -17.221,-18.121 ccw(c-15.1,-16) -15.1,-19 15.1,-19 ccw(c15.1,-16) 17.221,-18.121 ; -17.187,-18.155 cw(c0,0) 17.222,-18.122

## Text inside footprints (layer, text, board x,y; h text height)
LS1: Top 3D Body "+" at 4.785,2.675 h0.81; Top 3D Body "-" at 4.785,-3.675 h0.81; Top Overlay "-" at 4.785,-3.675 h0.81; Top Overlay "+" at 4.785,2.675 h0.81
U10: Bottom Overlay "*" at -17.568,15.449 h1.27 r53; Bottom 3D Body "*" at -17.543,14.023 h1.27 r53